# KiCad board Floppy Board v3.1.kicad_pcb (continued)
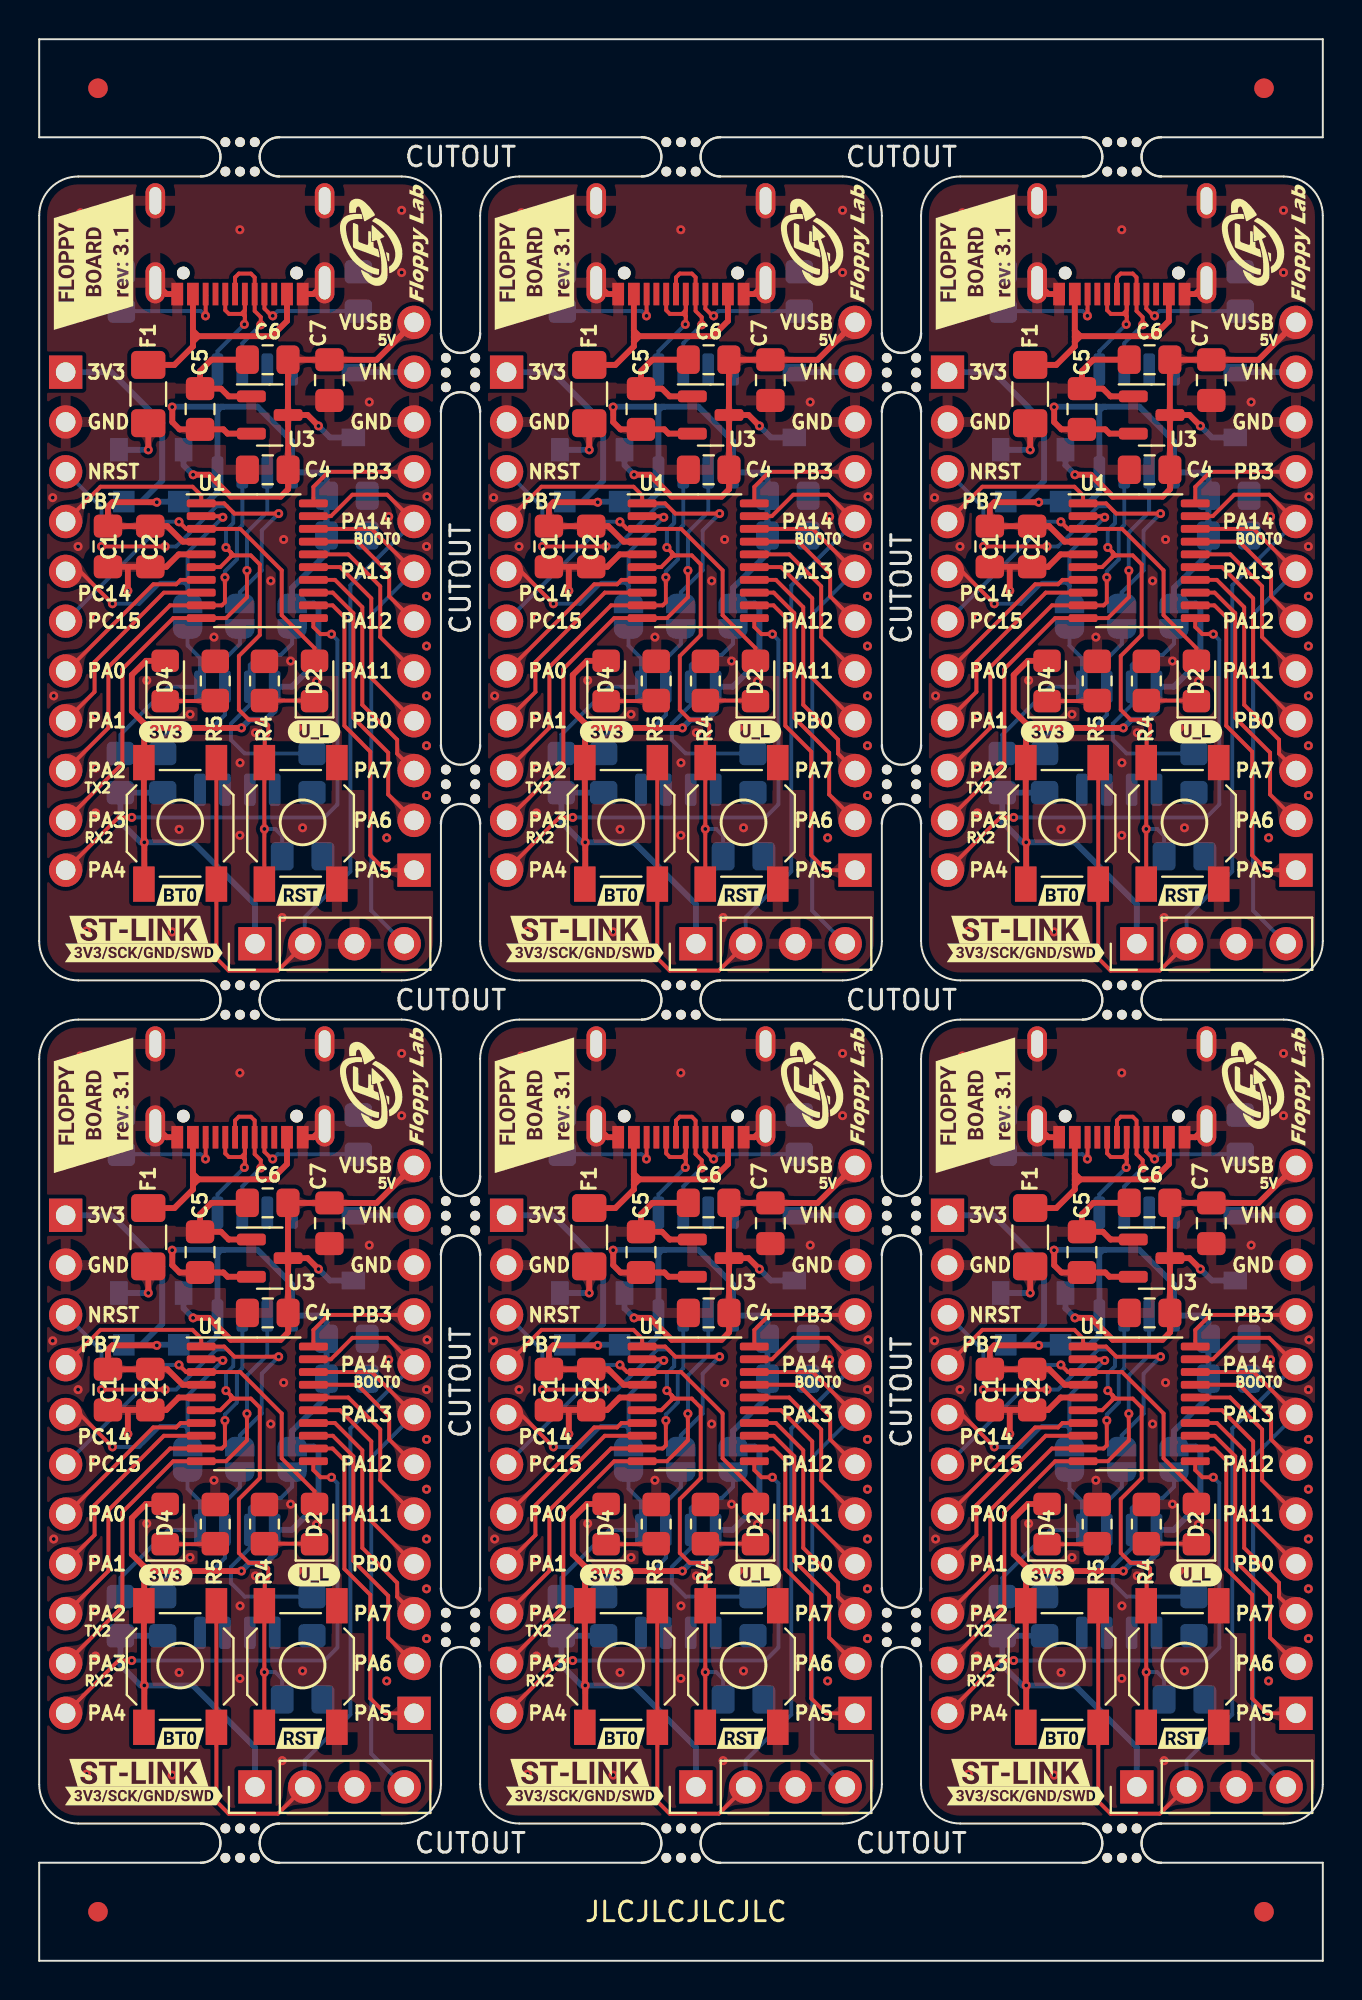
[diagram p0: board, top side]
## Copper pours and planes (outline as drawn; the poured copper is in the pictures) (continued)
NRST on Top: 56.41,19.21 56.4,19.08 56.39,18.98 56.36,18.89 56.32,18.81 56.28,18.75 56.23,18.68 56.18,18.62 56.12,18.55 56.06,18.47 56,18.37 56.48,17.83 56.99,18.33 56.94,18.43 56.89,18.52 56.84,18.6 56.78,18.67 56.74,18.73 56.7,18.8 56.66,18.88 56.63,18.97 56.62,19.08 56.61,19.21
NRST on Top: 34.09,60.02 34.1,60.15 34.11,60.25 34.14,60.34 34.18,60.41 34.22,60.48 34.27,60.54 34.32,60.61 34.37,60.68 34.43,60.77 34.48,60.87 33.99,61.38 33.49,60.87 33.55,60.77 33.6,60.68 33.66,60.61 33.71,60.54 33.76,60.48 33.8,60.41 33.84,60.34 33.86,60.25 33.88,60.15 33.89,60.02
NRST on Top: 11.59,17.02 11.6,17.15 11.61,17.25 11.64,17.34 11.68,17.41 11.72,17.48 11.77,17.54 11.82,17.61 11.87,17.68 11.93,17.77 11.98,17.87 11.49,18.38 10.99,17.87 11.05,17.77 11.1,17.68 11.16,17.61 11.21,17.54 11.26,17.48 11.3,17.41 11.34,17.34 11.36,17.25 11.38,17.15 11.39,17.02
NRST on Top: 33.89,13 33.88,12.87 33.86,12.76 33.84,12.68 33.8,12.6 33.76,12.54 33.71,12.47 33.66,12.41 33.6,12.33 33.55,12.25 33.49,12.15 33.99,11.63 34.48,12.15 34.43,12.25 34.37,12.33 34.32,12.41 34.27,12.47 34.22,12.54 34.18,12.6 34.14,12.68 34.11,12.76 34.1,12.87 34.09,13
NRST on Top: 11.41,19.21 11.4,19.08 11.39,18.98 11.36,18.89 11.32,18.81 11.28,18.75 11.23,18.68 11.18,18.62 11.12,18.55 11.06,18.47 11,18.37 11.48,17.83 11.99,18.33 11.94,18.43 11.89,18.52 11.84,18.6 11.78,18.67 11.74,18.73 11.7,18.8 11.66,18.88 11.63,18.97 11.62,19.08 11.61,19.21
NRST on Top: 11.39,13 11.38,12.87 11.36,12.76 11.34,12.68 11.3,12.6 11.26,12.54 11.21,12.47 11.16,12.41 11.1,12.33 11.05,12.25 10.99,12.15 11.49,11.63 11.98,12.15 11.93,12.25 11.87,12.33 11.82,12.41 11.77,12.47 11.72,12.54 11.68,12.6 11.64,12.68 11.61,12.76 11.6,12.87 11.59,13
NRST on Top: 56.41,62.21 56.4,62.08 56.39,61.98 56.36,61.89 56.32,61.81 56.28,61.75 56.23,61.68 56.18,61.62 56.12,61.55 56.06,61.47 56,61.37 56.48,60.83 56.99,61.33 56.94,61.43 56.89,61.52 56.84,61.6 56.78,61.67 56.74,61.73 56.7,61.8 56.66,61.88 56.63,61.97 56.62,62.08 56.61,62.21
NRST on Top: 34.09,17.02 34.1,17.15 34.11,17.25 34.14,17.34 34.18,17.41 34.22,17.48 34.27,17.54 34.32,17.61 34.37,17.68 34.43,17.77 34.48,17.87 33.99,18.38 33.49,17.87 33.55,17.77 33.6,17.68 33.66,17.61 33.71,17.54 33.76,17.48 33.8,17.41 33.84,17.34 33.86,17.25 33.88,17.15 33.89,17.02
NRST on Top: 11.39,56 11.38,55.87 11.36,55.76 11.34,55.68 11.3,55.6 11.26,55.54 11.21,55.47 11.16,55.41 11.1,55.33 11.05,55.25 10.99,55.15 11.49,54.63 11.98,55.15 11.93,55.25 11.87,55.33 11.82,55.41 11.77,55.47 11.72,55.54 11.68,55.6 11.64,55.68 11.61,55.76 11.6,55.87 11.59,56
NRST on Top: 56.59,60.02 56.6,60.15 56.61,60.25 56.64,60.34 56.68,60.41 56.72,60.48 56.77,60.54 56.82,60.61 56.87,60.68 56.93,60.77 56.98,60.87 56.49,61.38 55.99,60.87 56.05,60.77 56.1,60.68 56.16,60.61 56.21,60.54 56.26,60.48 56.3,60.41 56.34,60.34 56.36,60.25 56.38,60.15 56.39,60.02
NRST on Top: 56.59,17.02 56.6,17.15 56.61,17.25 56.64,17.34 56.68,17.41 56.72,17.48 56.77,17.54 56.82,17.61 56.87,17.68 56.93,17.77 56.98,17.87 56.49,18.38 55.99,17.87 56.05,17.77 56.1,17.68 56.16,17.61 56.21,17.54 56.26,17.48 56.3,17.41 56.34,17.34 56.36,17.25 56.38,17.15 56.39,17.02
NRST on Top: 56.39,13 56.38,12.87 56.36,12.76 56.34,12.68 56.3,12.6 56.26,12.54 56.21,12.47 56.16,12.41 56.1,12.33 56.05,12.25 55.99,12.15 56.49,11.63 56.98,12.15 56.93,12.25 56.87,12.33 56.82,12.41 56.77,12.47 56.72,12.54 56.68,12.6 56.64,12.68 56.61,12.76 56.6,12.87 56.59,13
NRST on Top: 33.91,62.21 33.9,62.08 33.89,61.98 33.86,61.89 33.82,61.81 33.78,61.75 33.73,61.68 33.68,61.62 33.62,61.55 33.56,61.47 33.5,61.37 33.98,60.83 34.49,61.33 34.44,61.43 34.39,61.52 34.34,61.6 34.28,61.67 34.24,61.73 34.2,61.8 34.16,61.88 34.13,61.97 34.12,62.08 34.11,62.21
NRST on Bottom: 47.62,74.82 47.48,74.97 47.39,75.1 47.33,75.23 47.29,75.36 47.27,75.48 47.26,75.61 47.25,75.74 47.23,75.89 47.2,76.04 47.15,76.22 46.05,76.24 46.07,75.14 46.25,75.09 46.4,75.06 46.55,75.04 46.68,75.03 46.81,75.02 46.93,75 47.06,74.96 47.19,74.9 47.32,74.81 47.47,74.67
NRST on Bottom: 47.62,31.82 47.48,31.97 47.39,32.1 47.33,32.23 47.29,32.36 47.27,32.48 47.26,32.61 47.25,32.74 47.23,32.89 47.2,33.04 47.15,33.22 46.05,33.24 46.07,32.14 46.25,32.09 46.4,32.06 46.55,32.04 46.68,32.03 46.81,32.02 46.93,32 47.06,31.96 47.19,31.9 47.32,31.81 47.47,31.67
NRST on Bottom: 34.73,14.4 34.8,14.31 34.83,14.23 34.83,14.15 34.79,14.08 34.73,14.01 34.66,13.93 34.59,13.86 34.51,13.78 34.43,13.69 34.37,13.59 34.9,13.04 35.32,13.75 35.25,13.83 35.19,13.91 35.16,13.98 35.13,14.05 35.09,14.2 35.06,14.28 35.02,14.36 34.96,14.45 34.87,14.54
NRST on Bottom: 2.62,74.82 2.48,74.97 2.39,75.1 2.33,75.23 2.29,75.36 2.27,75.48 2.26,75.61 2.25,75.74 2.23,75.89 2.2,76.04 2.15,76.22 1.05,76.24 1.07,75.14 1.25,75.09 1.4,75.06 1.55,75.04 1.68,75.03 1.81,75.02 1.93,75 2.06,74.96 2.19,74.9 2.32,74.81 2.47,74.67
NRST on Bottom: 12.23,57.4 12.3,57.31 12.33,57.23 12.33,57.15 12.29,57.08 12.23,57.01 12.16,56.93 12.09,56.86 12.01,56.78 11.93,56.69 11.87,56.59 12.4,56.04 12.82,56.75 12.75,56.83 12.69,56.91 12.66,56.98 12.63,57.05 12.59,57.2 12.56,57.28 12.52,57.36 12.46,57.45 12.37,57.54
NRST on Bottom: 34.73,57.4 34.8,57.31 34.83,57.23 34.83,57.15 34.79,57.08 34.73,57.01 34.66,56.93 34.59,56.86 34.51,56.78 34.43,56.69 34.37,56.59 34.9,56.04 35.32,56.75 35.25,56.83 35.19,56.91 35.16,56.98 35.13,57.05 35.09,57.2 35.06,57.28 35.02,57.36 34.96,57.45 34.87,57.54
NRST on Bottom: 12.23,14.4 12.3,14.31 12.33,14.23 12.33,14.15 12.29,14.08 12.23,14.01 12.16,13.93 12.09,13.86 12.01,13.78 11.93,13.69 11.87,13.59 12.4,13.04 12.82,13.75 12.75,13.83 12.69,13.91 12.66,13.98 12.63,14.05 12.59,14.2 12.56,14.28 12.52,14.36 12.46,14.45 12.37,14.54
NRST on Bottom: 25.12,74.82 24.98,74.97 24.89,75.1 24.83,75.23 24.79,75.36 24.77,75.48 24.76,75.61 24.75,75.74 24.73,75.89 24.7,76.04 24.65,76.22 23.55,76.24 23.57,75.14 23.75,75.09 23.9,75.06 24.05,75.04 24.18,75.03 24.31,75.02 24.43,75 24.56,74.96 24.69,74.9 24.82,74.81 24.97,74.67
NRST on Bottom: 57.23,14.4 57.3,14.31 57.33,14.23 57.33,14.15 57.29,14.08 57.23,14.01 57.16,13.93 57.09,13.86 57.01,13.78 56.93,13.69 56.87,13.59 57.4,13.04 57.82,13.75 57.75,13.83 57.69,13.91 57.66,13.98 57.63,14.05 57.59,14.2 57.56,14.28 57.52,14.36 57.46,14.45 57.37,14.54
NRST on Bottom: 2.62,31.82 2.48,31.97 2.39,32.1 2.33,32.23 2.29,32.36 2.27,32.48 2.26,32.61 2.25,32.74 2.23,32.89 2.2,33.04 2.15,33.22 1.05,33.24 1.07,32.14 1.25,32.09 1.4,32.06 1.55,32.04 1.68,32.03 1.81,32.02 1.93,32 2.06,31.96 2.19,31.9 2.32,31.81 2.47,31.67
NRST on Bottom: 25.12,31.82 24.98,31.97 24.89,32.1 24.83,32.23 24.79,32.36 24.77,32.48 24.76,32.61 24.75,32.74 24.73,32.89 24.7,33.04 24.65,33.22 23.55,33.24 23.57,32.14 23.75,32.09 23.9,32.06 24.05,32.04 24.18,32.03 24.31,32.02 24.43,32 24.56,31.96 24.69,31.9 24.82,31.81 24.97,31.67
NRST on Bottom: 57.23,57.4 57.3,57.31 57.33,57.23 57.33,57.15 57.29,57.08 57.23,57.01 57.16,56.93 57.09,56.86 57.01,56.78 56.93,56.69 56.87,56.59 57.4,56.04 57.82,56.75 57.75,56.83 57.69,56.91 57.66,56.98 57.63,57.05 57.59,57.2 57.56,57.28 57.52,57.36 57.46,57.45 57.37,57.54
PA0 on Top: 47.51,67.03 47.36,66.9 47.22,66.8 47.1,66.74 46.97,66.71 46.85,66.69 46.72,66.68 46.59,66.67 46.44,66.66 46.28,66.64 46.1,66.59 46.04,65.49 47.14,65.47 47.2,65.64 47.24,65.8 47.26,65.95 47.27,66.08 47.29,66.21 47.31,66.34 47.35,66.46 47.42,66.6 47.51,66.74 47.65,66.89
PA0 on Top: 25.01,67.03 24.86,66.9 24.72,66.8 24.6,66.74 24.47,66.71 24.35,66.69 24.22,66.68 24.09,66.67 23.94,66.66 23.78,66.64 23.6,66.59 23.54,65.49 24.64,65.47 24.7,65.64 24.74,65.8 24.76,65.95 24.77,66.08 24.79,66.21 24.81,66.34 24.85,66.46 24.92,66.6 25.01,66.74 25.15,66.89
PA0 on Top: 25.01,24.03 24.86,23.9 24.72,23.8 24.6,23.74 24.47,23.71 24.35,23.69 24.22,23.68 24.09,23.67 23.94,23.66 23.78,23.64 23.6,23.59 23.54,22.49 24.64,22.47 24.7,22.64 24.74,22.8 24.76,22.95 24.77,23.08 24.79,23.21 24.81,23.34 24.85,23.46 24.92,23.6 25.01,23.74 25.15,23.89
PA0 on Top: 2.51,24.03 2.36,23.9 2.22,23.8 2.1,23.74 1.97,23.71 1.85,23.69 1.72,23.68 1.59,23.67 1.44,23.66 1.28,23.64 1.1,23.59 1.04,22.49 2.14,22.47 2.2,22.64 2.24,22.8 2.26,22.95 2.27,23.08 2.29,23.21 2.31,23.34 2.35,23.46 2.42,23.6 2.51,23.74 2.65,23.89
PA0 on Top: 47.51,24.03 47.36,23.9 47.22,23.8 47.1,23.74 46.97,23.71 46.85,23.69 46.72,23.68 46.59,23.67 46.44,23.66 46.28,23.64 46.1,23.59 46.04,22.49 47.14,22.47 47.2,22.64 47.24,22.8 47.26,22.95 47.27,23.08 47.29,23.21 47.31,23.34 47.35,23.46 47.42,23.6 47.51,23.74 47.65,23.89
PA0 on Top: 2.51,67.03 2.36,66.9 2.22,66.8 2.1,66.74 1.97,66.71 1.85,66.69 1.72,66.68 1.59,66.67 1.44,66.66 1.28,66.64 1.1,66.59 1.04,65.49 2.14,65.47 2.2,65.64 2.24,65.8 2.26,65.95 2.27,66.08 2.29,66.21 2.31,66.34 2.35,66.46 2.42,66.6 2.51,66.74 2.65,66.89
PA1 on Top: 47.47,64.51 47.32,64.37 47.19,64.28 47.06,64.22 46.93,64.18 46.81,64.16 46.68,64.15 46.55,64.14 46.4,64.12 46.25,64.09 46.07,64.04 46.05,62.94 47.15,62.96 47.2,63.14 47.23,63.29 47.25,63.44 47.26,63.57 47.27,63.7 47.29,63.82 47.33,63.95 47.39,64.08 47.48,64.21 47.62,64.36
PA1 on Top: 24.97,21.51 24.82,21.37 24.69,21.28 24.56,21.22 24.43,21.18 24.31,21.16 24.18,21.15 24.05,21.14 23.9,21.12 23.75,21.09 23.57,21.04 23.55,19.94 24.65,19.96 24.7,20.14 24.73,20.29 24.75,20.44 24.76,20.57 24.77,20.7 24.79,20.82 24.83,20.95 24.89,21.08 24.98,21.21 25.12,21.36
PA1 on Top: 2.47,21.51 2.32,21.37 2.19,21.28 2.06,21.22 1.93,21.18 1.81,21.16 1.68,21.15 1.55,21.14 1.4,21.12 1.25,21.09 1.07,21.04 1.05,19.94 2.15,19.96 2.2,20.14 2.23,20.29 2.25,20.44 2.26,20.57 2.27,20.7 2.29,20.82 2.33,20.95 2.39,21.08 2.48,21.21 2.62,21.36
PA1 on Top: 24.97,64.51 24.82,64.37 24.69,64.28 24.56,64.22 24.43,64.18 24.31,64.16 24.18,64.15 24.05,64.14 23.9,64.12 23.75,64.09 23.57,64.04 23.55,62.94 24.65,62.96 24.7,63.14 24.73,63.29 24.75,63.44 24.76,63.57 24.77,63.7 24.79,63.82 24.83,63.95 24.89,64.08 24.98,64.21 25.12,64.36
PA1 on Top: 2.47,64.51 2.32,64.37 2.19,64.28 2.06,64.22 1.93,64.18 1.81,64.16 1.68,64.15 1.55,64.14 1.4,64.12 1.25,64.09 1.07,64.04 1.05,62.94 2.15,62.96 2.2,63.14 2.23,63.29 2.25,63.44 2.26,63.57 2.27,63.7 2.29,63.82 2.33,63.95 2.39,64.08 2.48,64.21 2.62,64.36
PA1 on Top: 47.47,21.51 47.32,21.37 47.19,21.28 47.06,21.22 46.93,21.18 46.81,21.16 46.68,21.15 46.55,21.14 46.4,21.12 46.25,21.09 46.07,21.04 46.05,19.94 47.15,19.96 47.2,20.14 47.23,20.29 47.25,20.44 47.26,20.57 47.27,20.7 47.29,20.82 47.33,20.95 47.39,21.08 47.48,21.21 47.62,21.36
PA2/TX2 on Top: 47.47,61.97 47.32,61.83 47.19,61.74 47.06,61.68 46.93,61.64 46.81,61.62 46.68,61.61 46.55,61.6 46.4,61.58 46.25,61.55 46.07,61.5 46.05,60.4 47.15,60.42 47.2,60.6 47.23,60.75 47.25,60.9 47.26,61.03 47.27,61.16 47.29,61.28 47.33,61.41 47.39,61.54 47.48,61.67 47.62,61.82
PA2/TX2 on Top: 47.47,18.97 47.32,18.83 47.19,18.74 47.06,18.68 46.93,18.64 46.81,18.62 46.68,18.61 46.55,18.6 46.4,18.58 46.25,18.55 46.07,18.5 46.05,17.4 47.15,17.42 47.2,17.6 47.23,17.75 47.25,17.9 47.26,18.03 47.27,18.16 47.29,18.28 47.33,18.41 47.39,18.54 47.48,18.67 47.62,18.82
PA2/TX2 on Top: 2.47,61.97 2.32,61.83 2.19,61.74 2.06,61.68 1.93,61.64 1.81,61.62 1.68,61.61 1.55,61.6 1.4,61.58 1.25,61.55 1.07,61.5 1.05,60.4 2.15,60.42 2.2,60.6 2.23,60.75 2.25,60.9 2.26,61.03 2.27,61.16 2.29,61.28 2.33,61.41 2.39,61.54 2.48,61.67 2.62,61.82
PA2/TX2 on Top: 24.97,18.97 24.82,18.83 24.69,18.74 24.56,18.68 24.43,18.64 24.31,18.62 24.18,18.61 24.05,18.6 23.9,18.58 23.75,18.55 23.57,18.5 23.55,17.4 24.65,17.42 24.7,17.6 24.73,17.75 24.75,17.9 24.76,18.03 24.77,18.16 24.79,18.28 24.83,18.41 24.89,18.54 24.98,18.67 25.12,18.82
PA2/TX2 on Top: 2.47,18.97 2.32,18.83 2.19,18.74 2.06,18.68 1.93,18.64 1.81,18.62 1.68,18.61 1.55,18.6 1.4,18.58 1.25,18.55 1.07,18.5 1.05,17.4 2.15,17.42 2.2,17.6 2.23,17.75 2.25,17.9 2.26,18.03 2.27,18.16 2.29,18.28 2.33,18.41 2.39,18.54 2.48,18.67 2.62,18.82
PA2/TX2 on Top: 24.97,61.97 24.82,61.83 24.69,61.74 24.56,61.68 24.43,61.64 24.31,61.62 24.18,61.61 24.05,61.6 23.9,61.58 23.75,61.55 23.57,61.5 23.55,60.4 24.65,60.42 24.7,60.6 24.73,60.75 24.75,60.9 24.76,61.03 24.77,61.16 24.79,61.28 24.83,61.41 24.89,61.54 24.98,61.67 25.12,61.82
PA3/RX2 on Top: 2.47,16.43 2.32,16.29 2.19,16.2 2.06,16.14 1.93,16.1 1.81,16.08 1.68,16.07 1.55,16.06 1.4,16.04 1.25,16.01 1.07,15.96 1.05,14.86 2.15,14.88 2.2,15.06 2.23,15.21 2.25,15.36 2.26,15.49 2.27,15.62 2.29,15.74 2.33,15.87 2.39,16 2.48,16.13 2.62,16.28
PA3/RX2 on Top: 47.47,59.43 47.32,59.29 47.19,59.2 47.06,59.14 46.93,59.1 46.81,59.08 46.68,59.07 46.55,59.06 46.4,59.04 46.25,59.01 46.07,58.96 46.05,57.86 47.15,57.88 47.2,58.06 47.23,58.21 47.25,58.36 47.26,58.49 47.27,58.62 47.29,58.74 47.33,58.87 47.39,59 47.48,59.13 47.62,59.28
PA3/RX2 on Top: 47.47,16.43 47.32,16.29 47.19,16.2 47.06,16.14 46.93,16.1 46.81,16.08 46.68,16.07 46.55,16.06 46.4,16.04 46.25,16.01 46.07,15.96 46.05,14.86 47.15,14.88 47.2,15.06 47.23,15.21 47.25,15.36 47.26,15.49 47.27,15.62 47.29,15.74 47.33,15.87 47.39,16 47.48,16.13 47.62,16.28
PA3/RX2 on Top: 24.97,16.43 24.82,16.29 24.69,16.2 24.56,16.14 24.43,16.1 24.31,16.08 24.18,16.07 24.05,16.06 23.9,16.04 23.75,16.01 23.57,15.96 23.55,14.86 24.65,14.88 24.7,15.06 24.73,15.21 24.75,15.36 24.76,15.49 24.77,15.62 24.79,15.74 24.83,15.87 24.89,16 24.98,16.13 25.12,16.28
PA3/RX2 on Top: 24.97,59.43 24.82,59.29 24.69,59.2 24.56,59.14 24.43,59.1 24.31,59.08 24.18,59.07 24.05,59.06 23.9,59.04 23.75,59.01 23.57,58.96 23.55,57.86 24.65,57.88 24.7,58.06 24.73,58.21 24.75,58.36 24.76,58.49 24.77,58.62 24.79,58.74 24.83,58.87 24.89,59 24.98,59.13 25.12,59.28
PA3/RX2 on Top: 2.47,59.43 2.32,59.29 2.19,59.2 2.06,59.14 1.93,59.1 1.81,59.08 1.68,59.07 1.55,59.06 1.4,59.04 1.25,59.01 1.07,58.96 1.05,57.86 2.15,57.88 2.2,58.06 2.23,58.21 2.25,58.36 2.26,58.49 2.27,58.62 2.29,58.74 2.33,58.87 2.39,59 2.48,59.13 2.62,59.28
PA4 on Top: 2.47,13.89 2.32,13.75 2.19,13.66 2.06,13.6 1.93,13.56 1.81,13.54 1.68,13.53 1.55,13.52 1.4,13.5 1.25,13.47 1.07,13.42 1.05,12.32 2.15,12.34 2.2,12.52 2.23,12.67 2.25,12.82 2.26,12.95 2.27,13.08 2.29,13.2 2.33,13.33 2.39,13.46 2.48,13.59 2.62,13.74
PA4 on Top: 47.47,56.89 47.32,56.75 47.19,56.66 47.06,56.6 46.93,56.56 46.81,56.54 46.68,56.53 46.55,56.52 46.4,56.5 46.25,56.47 46.07,56.42 46.05,55.32 47.15,55.34 47.2,55.52 47.23,55.67 47.25,55.82 47.26,55.95 47.27,56.08 47.29,56.2 47.33,56.33 47.39,56.46 47.48,56.59 47.62,56.74
PA4 on Top: 24.97,56.89 24.82,56.75 24.69,56.66 24.56,56.6 24.43,56.56 24.31,56.54 24.18,56.53 24.05,56.52 23.9,56.5 23.75,56.47 23.57,56.42 23.55,55.32 24.65,55.34 24.7,55.52 24.73,55.67 24.75,55.82 24.76,55.95 24.77,56.08 24.79,56.2 24.83,56.33 24.89,56.46 24.98,56.59 25.12,56.74
PA4 on Top: 24.97,13.89 24.82,13.75 24.69,13.66 24.56,13.6 24.43,13.56 24.31,13.54 24.18,13.53 24.05,13.52 23.9,13.5 23.75,13.47 23.57,13.42 23.55,12.32 24.65,12.34 24.7,12.52 24.73,12.67 24.75,12.82 24.76,12.95 24.77,13.08 24.79,13.2 24.83,13.33 24.89,13.46 24.98,13.59 25.12,13.74
PA4 on Top: 2.47,56.89 2.32,56.75 2.19,56.66 2.06,56.6 1.93,56.56 1.81,56.54 1.68,56.53 1.55,56.52 1.4,56.5 1.25,56.47 1.07,56.42 1.05,55.32 2.15,55.34 2.2,55.52 2.23,55.67 2.25,55.82 2.26,55.95 2.27,56.08 2.29,56.2 2.33,56.33 2.39,56.46 2.48,56.59 2.62,56.74
PA4 on Top: 47.47,13.89 47.32,13.75 47.19,13.66 47.06,13.6 46.93,13.56 46.81,13.54 46.68,13.53 46.55,13.52 46.4,13.5 46.25,13.47 46.07,13.42 46.05,12.32 47.15,12.34 47.2,12.52 47.23,12.67 47.25,12.82 47.26,12.95 47.27,13.08 47.29,13.2 47.33,13.33 47.39,13.46 47.48,13.59 47.62,13.74
PA5 on Top: 17.43,55.71 17.56,55.59 17.68,55.5 17.79,55.43 17.9,55.39 18.1,55.31 18.2,55.26 18.3,55.2 18.41,55.13 18.53,55.02 19.56,55.62 18.76,56.38 18.61,56.3 18.48,56.19 18.36,56.07 18.25,55.95 18.14,55.85 18.04,55.77 17.93,55.71 17.82,55.71 17.7,55.75 17.57,55.85
PA5 on Top: 39.93,55.71 40.06,55.59 40.18,55.5 40.29,55.43 40.4,55.39 40.6,55.31 40.7,55.26 40.8,55.2 40.91,55.13 41.03,55.02 42.05,55.62 41.26,56.38 41.11,56.3 40.98,56.19 40.86,56.07 40.75,55.95 40.64,55.85 40.54,55.77 40.43,55.71 40.32,55.71 40.2,55.75 40.07,55.85
PA5 on Top: 62.43,55.71 62.56,55.59 62.68,55.5 62.79,55.43 62.9,55.39 63.1,55.31 63.2,55.26 63.3,55.2 63.41,55.13 63.53,55.02 64.55,55.62 63.76,56.38 63.61,56.3 63.48,56.19 63.36,56.07 63.25,55.95 63.14,55.85 63.04,55.77 62.93,55.71 62.82,55.71 62.7,55.75 62.57,55.85
PA5 on Top: 39.93,12.71 40.06,12.59 40.18,12.5 40.29,12.43 40.4,12.39 40.6,12.31 40.7,12.26 40.8,12.2 40.91,12.13 41.03,12.02 42.05,12.62 41.26,13.38 41.11,13.3 40.98,13.19 40.86,13.07 40.75,12.95 40.64,12.85 40.54,12.77 40.43,12.71 40.32,12.71 40.2,12.75 40.07,12.85
PA5 on Top: 62.43,12.71 62.56,12.59 62.68,12.5 62.79,12.43 62.9,12.39 63.1,12.31 63.2,12.26 63.3,12.2 63.41,12.13 63.53,12.02 64.55,12.62 63.76,13.38 63.61,13.3 63.48,13.19 63.36,13.07 63.25,12.95 63.14,12.85 63.04,12.77 62.93,12.71 62.82,12.71 62.7,12.75 62.57,12.85
PA5 on Top: 17.43,12.71 17.56,12.59 17.68,12.5 17.79,12.43 17.9,12.39 18.1,12.31 18.2,12.26 18.3,12.2 18.41,12.13 18.53,12.02 19.56,12.62 18.76,13.38 18.61,13.3 18.48,13.19 18.36,13.07 18.25,12.95 18.14,12.85 18.04,12.77 17.93,12.71 17.82,12.71 17.7,12.75 17.57,12.85
PA6 on Top: 62.86,16.28 63,16.13 63.09,16 63.15,15.87 63.19,15.74 63.21,15.62 63.22,15.49 63.23,15.36 63.25,15.21 63.28,15.06 63.33,14.88 64.43,14.86 64.41,15.96 64.23,16.01 64.08,16.04 63.93,16.06 63.8,16.07 63.67,16.08 63.55,16.1 63.42,16.14 63.29,16.2 63.16,16.29 63.01,16.43
PA6 on Top: 17.86,59.28 18,59.13 18.09,59 18.15,58.87 18.19,58.74 18.21,58.62 18.22,58.49 18.23,58.36 18.25,58.21 18.28,58.06 18.33,57.88 19.43,57.86 19.41,58.96 19.23,59.01 19.08,59.04 18.93,59.06 18.8,59.07 18.67,59.08 18.55,59.1 18.42,59.14 18.29,59.2 18.16,59.29 18.01,59.43
PA6 on Top: 40.36,16.28 40.5,16.13 40.59,16 40.65,15.87 40.69,15.74 40.71,15.62 40.72,15.49 40.73,15.36 40.75,15.21 40.78,15.06 40.83,14.88 41.93,14.86 41.91,15.96 41.73,16.01 41.58,16.04 41.43,16.06 41.3,16.07 41.17,16.08 41.05,16.1 40.92,16.14 40.79,16.2 40.66,16.29 40.51,16.43
PA6 on Top: 40.36,59.28 40.5,59.13 40.59,59 40.65,58.87 40.69,58.74 40.71,58.62 40.72,58.49 40.73,58.36 40.75,58.21 40.78,58.06 40.83,57.88 41.93,57.86 41.91,58.96 41.73,59.01 41.58,59.04 41.43,59.06 41.3,59.07 41.17,59.08 41.05,59.1 40.92,59.14 40.79,59.2 40.66,59.29 40.51,59.43
PA6 on Top: 17.86,16.28 18,16.13 18.09,16 18.15,15.87 18.19,15.74 18.21,15.62 18.22,15.49 18.23,15.36 18.25,15.21 18.28,15.06 18.33,14.88 19.43,14.86 19.41,15.96 19.23,16.01 19.08,16.04 18.93,16.06 18.8,16.07 18.67,16.08 18.55,16.1 18.42,16.14 18.29,16.2 18.16,16.29 18.01,16.43
PA6 on Top: 62.86,59.28 63,59.13 63.09,59 63.15,58.87 63.19,58.74 63.21,58.62 63.22,58.49 63.23,58.36 63.25,58.21 63.28,58.06 63.33,57.88 64.43,57.86 64.41,58.96 64.23,59.01 64.08,59.04 63.93,59.06 63.8,59.07 63.67,59.08 63.55,59.1 63.42,59.14 63.29,59.2 63.16,59.29 63.01,59.43
PA7 on Top: 40.67,62.04 40.67,61.86 40.68,61.7 40.69,61.57 40.71,61.45 40.74,61.24 40.76,61.13 40.77,61 40.78,60.86 40.78,60.7 41.93,60.4 41.91,61.5 41.76,61.54 41.61,61.57 41.47,61.58 41.33,61.6 41.2,61.62 41.09,61.65 41,61.7 40.93,61.78 40.88,61.89 40.87,62.04
PA7 on Top: 40.67,19.04 40.67,18.86 40.68,18.7 40.69,18.57 40.71,18.45 40.74,18.24 40.76,18.13 40.77,18 40.78,17.86 40.78,17.7 41.93,17.4 41.91,18.5 41.76,18.54 41.61,18.57 41.47,18.58 41.33,18.6 41.2,18.62 41.09,18.65 41,18.7 40.93,18.78 40.88,18.89 40.87,19.04
PA7 on Top: 18.17,19.04 18.17,18.86 18.18,18.7 18.19,18.57 18.21,18.45 18.24,18.24 18.26,18.13 18.27,18 18.28,17.86 18.28,17.7 19.43,17.4 19.41,18.5 19.26,18.54 19.11,18.57 18.97,18.58 18.83,18.6 18.7,18.62 18.59,18.65 18.5,18.7 18.43,18.78 18.38,18.89 18.37,19.04
PA7 on Top: 63.17,19.04 63.17,18.86 63.18,18.7 63.19,18.57 63.21,18.45 63.24,18.24 63.26,18.13 63.27,18 63.28,17.86 63.28,17.7 64.43,17.4 64.41,18.5 64.26,18.54 64.11,18.57 63.97,18.58 63.83,18.6 63.7,18.62 63.59,18.65 63.5,18.7 63.43,18.78 63.38,18.89 63.37,19.04
PA7 on Top: 63.17,62.04 63.17,61.86 63.18,61.7 63.19,61.57 63.21,61.45 63.24,61.24 63.26,61.13 63.27,61 63.28,60.86 63.28,60.7 64.43,60.4 64.41,61.5 64.26,61.54 64.11,61.57 63.97,61.58 63.83,61.6 63.7,61.62 63.59,61.65 63.5,61.7 63.43,61.78 63.38,61.89 63.37,62.04
PA7 on Top: 18.17,62.04 18.17,61.86 18.18,61.7 18.19,61.57 18.21,61.45 18.24,61.24 18.26,61.13 18.27,61 18.28,60.86 18.28,60.7 19.43,60.4 19.41,61.5 19.26,61.54 19.11,61.57 18.97,61.58 18.83,61.6 18.7,61.62 18.59,61.65 18.5,61.7 18.43,61.78 18.38,61.89 18.37,62.04
PA11 on Top: 17.86,66.9 18,66.75 18.09,66.62 18.15,66.49 18.19,66.36 18.21,66.24 18.22,66.11 18.23,65.98 18.25,65.83 18.28,65.68 18.33,65.5 19.43,65.48 19.41,66.58 19.23,66.63 19.08,66.66 18.93,66.68 18.8,66.69 18.67,66.7 18.55,66.72 18.42,66.76 18.29,66.82 18.16,66.91 18.01,67.05
PA11 on Top: 40.36,66.9 40.5,66.75 40.59,66.62 40.65,66.49 40.69,66.36 40.71,66.24 40.72,66.11 40.73,65.98 40.75,65.83 40.78,65.68 40.83,65.5 41.93,65.48 41.91,66.58 41.73,66.63 41.58,66.66 41.43,66.68 41.3,66.69 41.17,66.7 41.05,66.72 40.92,66.76 40.79,66.82 40.66,66.91 40.51,67.05
PA11 on Top: 62.86,23.9 63,23.75 63.09,23.62 63.15,23.49 63.19,23.36 63.21,23.24 63.22,23.11 63.23,22.98 63.25,22.83 63.28,22.68 63.33,22.5 64.43,22.48 64.41,23.58 64.23,23.63 64.08,23.66 63.93,23.68 63.8,23.69 63.67,23.7 63.55,23.72 63.42,23.76 63.29,23.82 63.16,23.91 63.01,24.05
PA11 on Top: 40.36,23.9 40.5,23.75 40.59,23.62 40.65,23.49 40.69,23.36 40.71,23.24 40.72,23.11 40.73,22.98 40.75,22.83 40.78,22.68 40.83,22.5 41.93,22.48 41.91,23.58 41.73,23.63 41.58,23.66 41.43,23.68 41.3,23.69 41.17,23.7 41.05,23.72 40.92,23.76 40.79,23.82 40.66,23.91 40.51,24.05
PA11 on Top: 62.86,66.9 63,66.75 63.09,66.62 63.15,66.49 63.19,66.36 63.21,66.24 63.22,66.11 63.23,65.98 63.25,65.83 63.28,65.68 63.33,65.5 64.43,65.48 64.41,66.58 64.23,66.63 64.08,66.66 63.93,66.68 63.8,66.69 63.67,66.7 63.55,66.72 63.42,66.76 63.29,66.82 63.16,66.91 63.01,67.05
PA11 on Top: 17.86,23.9 18,23.75 18.09,23.62 18.15,23.49 18.19,23.36 18.21,23.24 18.22,23.11 18.23,22.98 18.25,22.83 18.28,22.68 18.33,22.5 19.43,22.48 19.41,23.58 19.23,23.63 19.08,23.66 18.93,23.68 18.8,23.69 18.67,23.7 18.55,23.72 18.42,23.76 18.29,23.82 18.16,23.91 18.01,24.05
PA12 on Top: 17.86,26.44 18,26.29 18.09,26.16 18.15,26.03 18.19,25.9 18.21,25.78 18.22,25.65 18.23,25.52 18.25,25.37 18.28,25.22 18.33,25.04 19.43,25.02 19.41,26.12 19.23,26.17 19.08,26.2 18.93,26.22 18.8,26.23 18.67,26.24 18.55,26.26 18.42,26.3 18.29,26.36 18.16,26.45 18.01,26.59
PA12 on Top: 40.36,26.44 40.5,26.29 40.59,26.16 40.65,26.03 40.69,25.9 40.71,25.78 40.72,25.65 40.73,25.52 40.75,25.37 40.78,25.22 40.83,25.04 41.93,25.02 41.91,26.12 41.73,26.17 41.58,26.2 41.43,26.22 41.3,26.23 41.17,26.24 41.05,26.26 40.92,26.3 40.79,26.36 40.66,26.45 40.51,26.59
PA12 on Top: 62.86,26.44 63,26.29 63.09,26.16 63.15,26.03 63.19,25.9 63.21,25.78 63.22,25.65 63.23,25.52 63.25,25.37 63.28,25.22 63.33,25.04 64.43,25.02 64.41,26.12 64.23,26.17 64.08,26.2 63.93,26.22 63.8,26.23 63.67,26.24 63.55,26.26 63.42,26.3 63.29,26.36 63.16,26.45 63.01,26.59
PA12 on Top: 40.36,69.44 40.5,69.29 40.59,69.16 40.65,69.03 40.69,68.9 40.71,68.78 40.72,68.65 40.73,68.52 40.75,68.37 40.78,68.22 40.83,68.04 41.93,68.02 41.91,69.12 41.73,69.17 41.58,69.2 41.43,69.22 41.3,69.23 41.17,69.24 41.05,69.26 40.92,69.3 40.79,69.36 40.66,69.45 40.51,69.59
PA12 on Top: 62.86,69.44 63,69.29 63.09,69.16 63.15,69.03 63.19,68.9 63.21,68.78 63.22,68.65 63.23,68.52 63.25,68.37 63.28,68.22 63.33,68.04 64.43,68.02 64.41,69.12 64.23,69.17 64.08,69.2 63.93,69.22 63.8,69.23 63.67,69.24 63.55,69.26 63.42,69.3 63.29,69.36 63.16,69.45 63.01,69.59
PA12 on Top: 17.86,69.44 18,69.29 18.09,69.16 18.15,69.03 18.19,68.9 18.21,68.78 18.22,68.65 18.23,68.52 18.25,68.37 18.28,68.22 18.33,68.04 19.43,68.02 19.41,69.12 19.23,69.17 19.08,69.2 18.93,69.22 18.8,69.23 18.67,69.24 18.55,69.26 18.42,69.3 18.29,69.36 18.16,69.45 18.01,69.59
PA13/SWDIO on Top: 17.86,28.98 18,28.83 18.09,28.7 18.15,28.57 18.19,28.44 18.21,28.32 18.22,28.19 18.23,28.06 18.25,27.91 18.28,27.76 18.33,27.58 19.43,27.56 19.41,28.66 19.23,28.71 19.08,28.74 18.93,28.76 18.8,28.77 18.67,28.78 18.55,28.8 18.42,28.84 18.29,28.9 18.16,28.99 18.01,29.13
PA13/SWDIO on Top: 62.86,71.98 63,71.83 63.09,71.7 63.15,71.57 63.19,71.44 63.21,71.32 63.22,71.19 63.23,71.06 63.25,70.91 63.28,70.76 63.33,70.58 64.43,70.56 64.41,71.66 64.23,71.71 64.08,71.74 63.93,71.76 63.8,71.77 63.67,71.78 63.55,71.8 63.42,71.84 63.29,71.9 63.16,71.99 63.01,72.13
PA13/SWDIO on Top: 62.86,28.98 63,28.83 63.09,28.7 63.15,28.57 63.19,28.44 63.21,28.32 63.22,28.19 63.23,28.06 63.25,27.91 63.28,27.76 63.33,27.58 64.43,27.56 64.41,28.66 64.23,28.71 64.08,28.74 63.93,28.76 63.8,28.77 63.67,28.78 63.55,28.8 63.42,28.84 63.29,28.9 63.16,28.99 63.01,29.13
PA13/SWDIO on Top: 40.36,28.98 40.5,28.83 40.59,28.7 40.65,28.57 40.69,28.44 40.71,28.32 40.72,28.19 40.73,28.06 40.75,27.91 40.78,27.76 40.83,27.58 41.93,27.56 41.91,28.66 41.73,28.71 41.58,28.74 41.43,28.76 41.3,28.77 41.17,28.78 41.05,28.8 40.92,28.84 40.79,28.9 40.66,28.99 40.51,29.13
